# Altium PCB WiSN.PcbDoc (part 1 of 2) (continued)
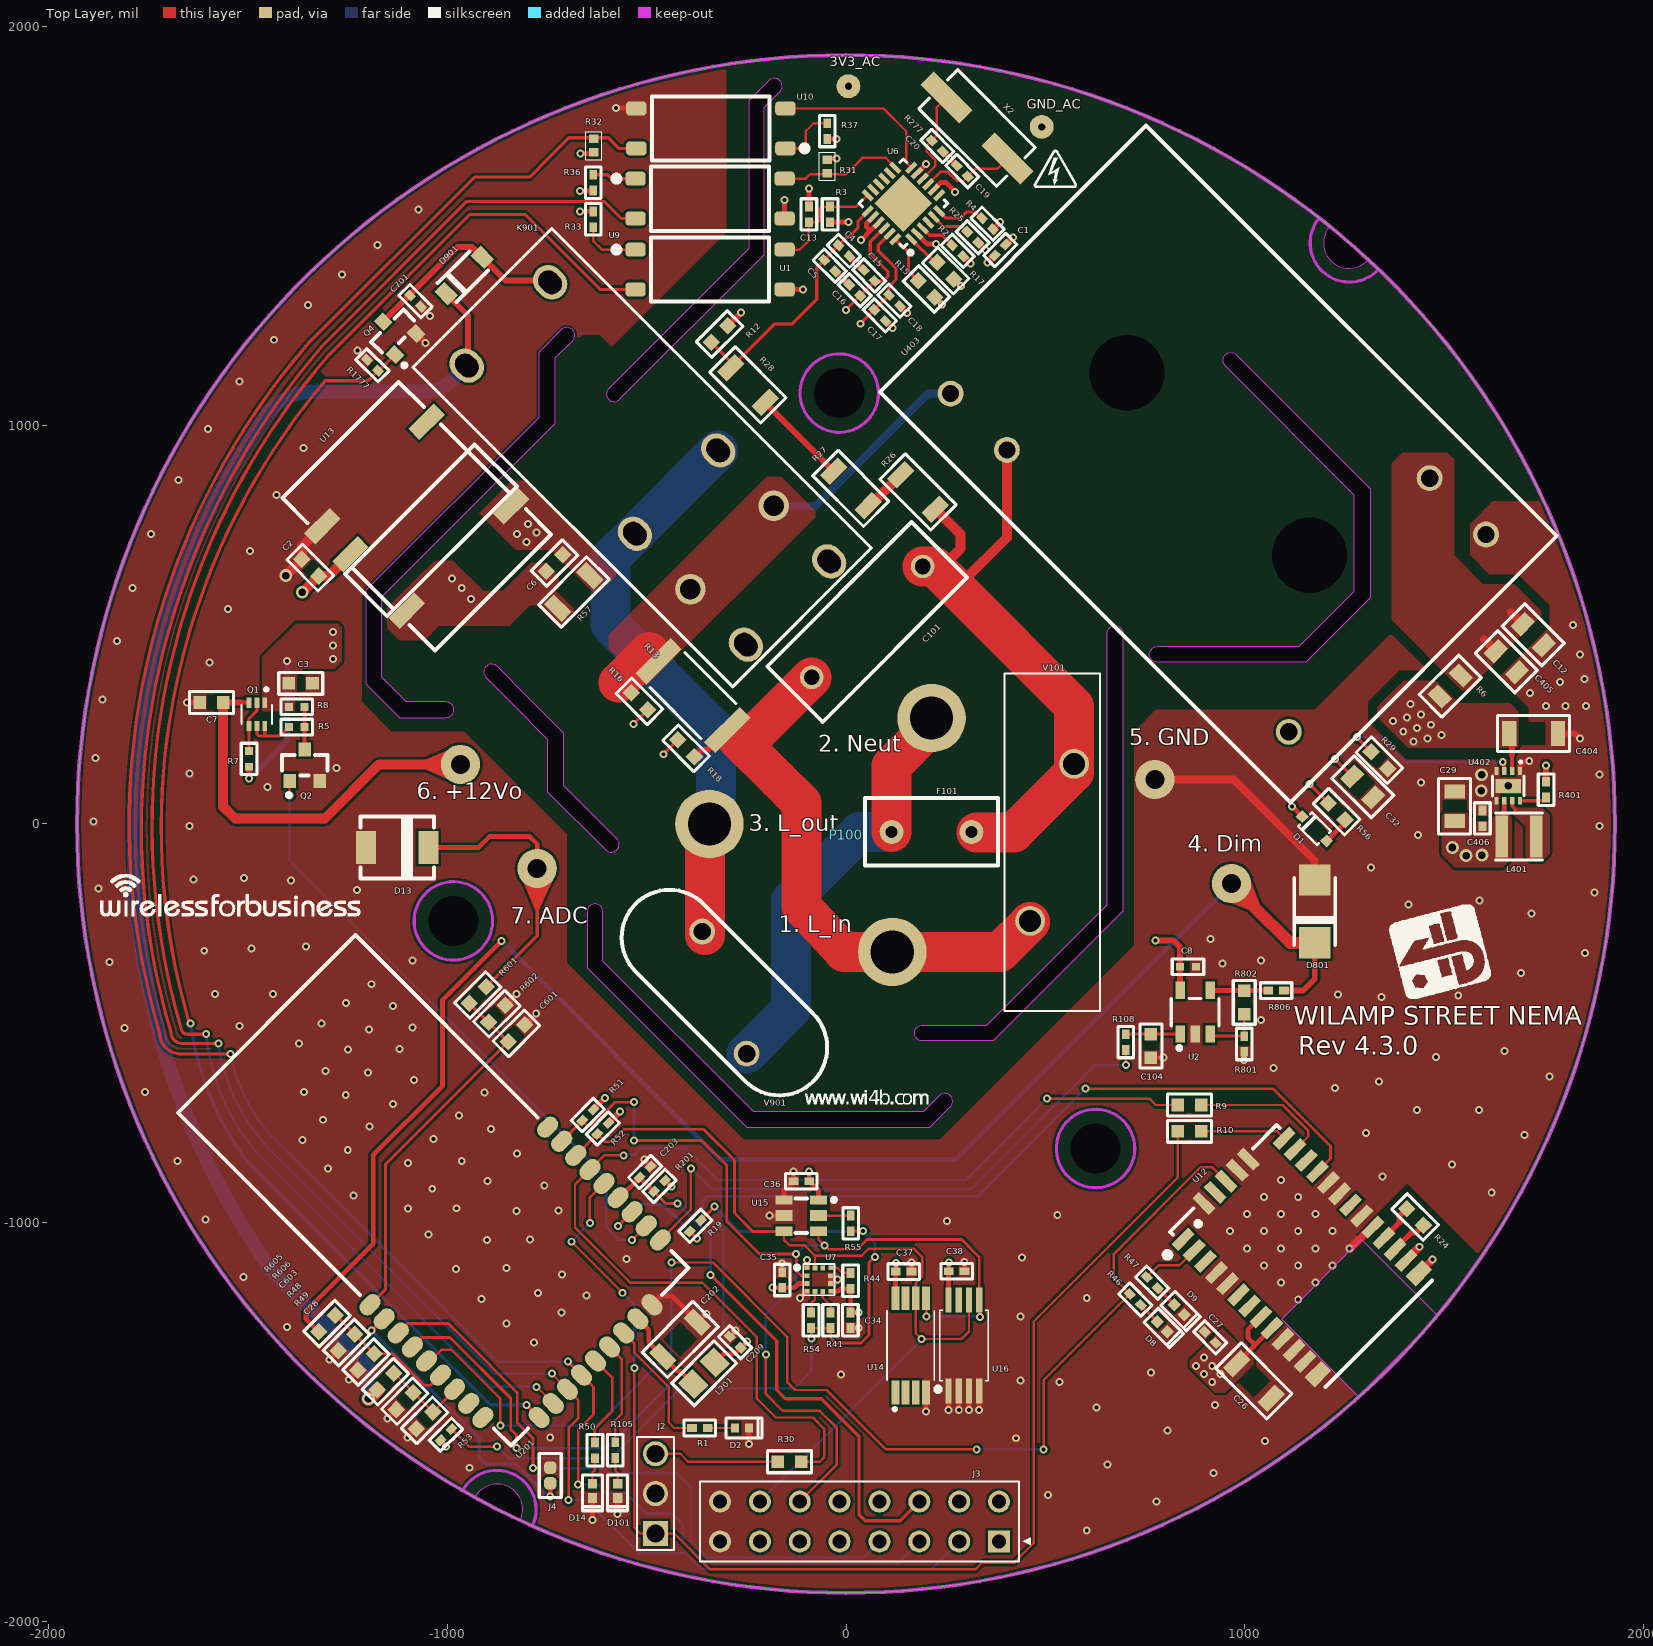
[diagram p0: Top Layer view]
## Classes and differential pairs
component class Relay: C701 D901 K901 Q4 R1777 V901
component class "Analog Input Module (6)": C28 C601 C603 D13 R48 R49 R601 R602 R605 R606
component class "Analog Output Module (9)": C8 C104 D801 R108 R801 R802 R806 U2
component class "Core Module": C202 C203 C209 J4 L201 R19 R201 U201
component class switch_blk: C3 C7 Q1 Q2 R5 R7 R8
component class "Energy Meter Module (5)": 3V3_AC C1 C2 C4 C5 C6 C13 C15 C16 C17 C18 C19 C20 GND_AC R2 R3 R4 R12 R13 R15 R16 R17 R18 R25 R26 R27 R28 R31 R32 R33 R36 R37 R57 R277 U1 U6 U9 U10 U13 X2
component class GPS: C26 C27 D8 D9 R24 R46 R47 U12
component class "i2c Devices": C34 C35 C36 C37 C38 R41 R44 R51 R52 R53 R54 R55 R? U7 U14 U15 U16
component class "Power Supply Module (4)": C12 C29 C32 C404 C405 C406 D1 L401 R6 R29 R56 R401 U402 U403
component class "Top Design Page": C101 D2 D14 D101 F101 J2 J3 P100 R1 R9 R10 R30 R50 R105 V101

## Components (designator, comment, footprint, x,y, rotation, side; value= is the part's Value field where it differs from the comment)
3V3_AC "TestPad TH" "TestPad TH" 6,1850.92 r90 top
C1 "GRM155R71H104ME14D" C0402#1 387,1440 r45 top value=0.10µF
C2 "GRM188R71C105KA12D" C0603 -1344,643 r135 top value=1µF
C3 "EMK107B7105KA-T" C0603 -1368,352.94 r0 top value=1µF
C4 "GRM155R71H104ME14D" C0402#1 -5,1438 r135 top value=0.10µF
C5 "GRM1555C1H102JA01D" C0402#1 -40.92,1400.68 r135 top value=1000pF
C6 "GRM188R71C105KA12D" C0603 -731.31,654.46 r225 top value=1µF
C7 "EMK107B7105KA-T" C0603 -1592,304.82 r180 top value=1µF
C8 "GRM155R71H104ME14D" C0402#2 858,-358 r0 top value=0.10µF
C12 "GRM219R61C226ME15L" C0805 1724.28,474.79 r315 top value=22µF
C13 "GRM155R71H104ME14D" C0402#1 -93,1529.31 r90 top value=0.10µF
C15 "GRM155R71H104ME14D" C0402#1 58.24,1376.15 r315 top value=0.10µF
C16 "GRM1555C1H102JA01D" C0402#1 22,1339 r315 top value=1000pF
C17 "GRM155R71H104ME14D" C0402#1 84.92,1276.08 r135 top value=0.10µF
C18 "GRM1555C1H102JA01D" C0402#1 121.46,1313.08 r135 top value=1000pF
C19 "GRM1555C1H180FA01D" C0402#1 291.55,1638.08 r135 top value=18pF
C20 "GRM1555C1H180FA01D" C0402#1 229.08,1700.92 r315 top value=18pF
C26 "GRM31CR71C106KAC7L" C1206 1023.33,-1397.33 r315 top value=10µF
C27 "GRM155R71H104ME14D" C0402#1 913.86,-1287.86 r135 top value=0.10µF
C28 "GCM188R71H224KA64D" C0603 -1057,-1496 r225 top value=0.22µF
C29 "GRM21BR61C226ME44L" C0805 1526.72,44.46 r90 top value=22µF
C32 "GRM219R61C226ME15L" C0805 1296.32,93.05 r315 top value=22µF
C34 "GRM155R71H104ME14D" C0402#1 10.94,-1245 r270 top value=0.10µF
C35 "GRM155R71H104ME14D" C0402#1 -160,-1144 r90 top value=0.10µF
C36 "GRM155R71H104ME14D" C0402#1 -112,-896.39 r180 top value=0.10µF
C37 "GRM155R71H104ME14D" C0402#1 144.69,-1123 r0 top value=0.10µF
C38 "GRM155R71H104ME14D" C0402#1 277.69,-1122 r0 top value=0.10µF
C101 "R46KF310000P1M" R46KF310000P1M 53,507 r225 top value=0.1µF
C104 "GRM188R71C474KA88D" C0603 765.08,-557 r270 top value=0.47µF
C202 "GRM31CR71C106KAC7L" C1206 -416,-1293 r45 top value=10µF
C203 "GRM155R71H104ME14D" C0402#1 -504,-873 r45 top value=0.10µF
C209 "GRM155R71H104ME14D" C0402#1 -278,-1300 r135 top value=0.10µF
C404 "GRM31CR71C106KAC7L" C1206 1724.9,227.12 r0 top value=10µF
C405 "GRM21BR61C226ME44L" C0805 1656.67,407.18 r315 top value=22µF
C406 "GRM155R71H104ME14D" C0402#1 1596.73,14.05 r90 top value=0.10µF
C601 "GCM188R71H224KA64D" C0603 -827,-525 r45 top value=0.22µF
C603 "GCM188R71H224KA64D" C0603 -1204,-1350 r225 top value=0.22µF
C701 "GRM155R71H104ME14D" C0402#1 -1080,1311.85 r315 top value=0.10µF
D1 "MMSZ5240BS-7-F" SOD-323 1175.31,-12 r315 top
D2 "XZVGR68W-3" LED0402(GREEN) -261,-1515.22 r180 top value=Green
D8 "VLMS1500-GS08" LED0402(RED) 793.65,-1260.99 r135 top value=Red
D9 "VLMS1500-GS08" LED0402(RED) 836,-1218.46 r135 top value=Red
D13 "SMBJ33A-TP" "DO-214AA, SMB" -1125.88,-58.84 r180 top
D14 "VLMS1500-GS08" LED0402(RED) -636,-1673 r90 top value=Red
D101 "VLMB1500-GS08" LED0402(BLUE) -573,-1673 r90 top value=Blue
D801 "SMAJ22CA" DO-214AC 1176,-219.31 r90 top
D901 "MBR0520L" SOD123 -957,1375.24 r45 top
F101 "SS-5-5A-AP" SS-5-5A-AP 214.57,-20 r0 top value=5A
GND_AC "TestPad TH" "TestPad TH" 491,1749 r90 top
J2 "5-146280-3" 5-146280-3 -478,-1680 r90 top
J3 "87227-8" 87227-8 34,-1750 r270 top
J4 "0603 Jumper" "0603 Jumper" -742,-1634.31 r270 top
K901 "ALZ12B12" "ALZ12B12 (custom)" -494.69,902.44 r315 top
L201 "BLM21PG121SN1D" "0805 INDUCTOR" -356,-1378 r45 top value="120 Ohm"
L401 "NR3015T2R2M" NR3015 1688.65,-31.2 r180 top value=2.2uH
P100 "2213730-1" LIGHTCTRL_2213730-1_2213730-1(Primary) 0,0 r270 top locked
Q1 "PBSS3515VS,115" SOT50P160X60-6N -1478,274.94 r270 top
Q2 "NUD3124LT1G" SOT-23-3 -1358,147.63 r0 top
Q4 "NUD3124LT1G" SOT-23-3 -1132.88,1232.01 r45 top
R1 "ERJ-2RKF1001X" R0402#1 -366.69,-1515.22 r180 top value=1k
R2 "CRCW04023K30FKED" R0402#1 280.08,1438 r315 top value=3.3k
R3 "ERJ-2RKF4701X" R0402#1 -40,1529.31 r270 top value=4.7k
R4 "CRCW04023K30FKED" R0402#1 355,1506 r135 top value=3.3k
R5 "CRCW04021K00FKED" R0402#2 -1378,242.94 r180 top value=1k
R6 "9C08052A0R00JLHFT" R0805 1516,346 r225 top value=0.0
R7 "RC0402FR-073RL" R0402#2 -1497.37,163.26 r270 top value=3
R8 "RC0402JR-0747KL" R0402#2 -1378,293.94 r180 top value=47k
R9 "CRCW06030000Z0EA" R0603 862,-705 r0 top value=0.0
R10 "CRCW06030000Z0EA" R0603 862,-771 r0 top value=0.0
R12 "CRCW0603750RFKEA" R0603 -317,1229 r225 top value=750
R13 "CRE2512-FZ-R004E-3" R2512 -384,322 r135 top
R15 "CRCW06030000Z0EA" R0603 202,1342 r135 top value=0.0
R16 "CRCW0603750RFKEA" R0603 -517.88,307.88 r315 top value=750
R17 "CRCW06030000Z0EA" R0603 250,1388 r135 top value=0.0
R18 "CRCW0603750RFKEA" R0603 -401,190 r135 top value=750
R19 "CRCW04020000Z0ED" R0402#1 -378,-1008.07 r45 top value=0.0
R24 "CRCW06030000Z0EA" R0603 1427.92,-985.92 r135 top value=0.0
R25 "CRCW04023K30FKED" R0402#1 318,1472 r135 top value=3.3k
R26 "CRCW1206820KFKEA" R1206#1 180.79,833.16 r135 top value=820k
R27 "CRCW1206820KFKEA" R1206#1 12.15,841.85 r135 top value=820k
R28 "CRCW1206330KFKEA" R1206#1 -246,1101.39 r135 top value=330k
R29 "5-1879337-9" R0603 1338,160 r315 top value=10k
R30 "CRCW06030000Z0EA" R0603 -142,-1600 r0 top value=0.0
R31 "RC0402FR-071K2L" RESC1005X40N -47,1649.76 r90 top value=1.2k
R32 "RC0402FR-071K2L" RESC1005X40N -633,1702 r270 top value=1.2k
R33 "CRCW0402330RFKED" R0402#1 -634,1517 r90 top value=330
R36 "CRCW0402330RFKED" R0402#1 -634,1609 r270 top value=330
R37 "CRCW0402330RFKED" R0402#1 -47,1738.31 r90 top value=330
R41 "CRCW0402330RFKED" R0402#1 -38.5,-1245 r270 top value=330
R44 "MCS04020C1001FE000" R0402#1 11.69,-1146 r270 top value=1k
R46 "ERJ-2RKF1001X" R0402#1 725.77,-1193.11 r135 top value=1k
R47 "ERJ-2RKF1001X" R0402#1 768.21,-1150.67 r135 top value=1k
R48 "TNPW060324K0BEEA" R0603 -1155,-1399 r45 top value=24k
R49 "ERA-3AEB562V" R0603 -1107,-1448 r45 top value=5.6k
R50 "ERJ-2RKF1001X" R0402#1 -630,-1571.31 r90 top value=1k
R51 "MCS04020C1001FE000" R0402#1 -647.7,-729.92 r45 top value=1k
R52 "MCS04020C1001FE000" R0402#1 -610,-764 r45 top value=1k
R53 "MCS04020C1001FE000" R0402#1 -1003.69,-1532 r225 top value=1k
R54 "CRCW0402330RFKED" R0402#1 -87.5,-1245 r270 top value=330
R55 "CRCW0402330RFKED" R0402#1 12,-1002 r270 top value=330
R56 "5-1879337-9" R0603 1231,31 r135 top value=10k
R57 "RMCF1206JT100R" R1206#2 -682.7,582.07 r225 top value=100
R105 "ERJ-2RKF1001X" R0402#1 -579,-1571 r90 top value=1k
R108 "ERJ-2RKF1002X" R0402#1 702,-547.16 r90 top value=10k
R201 "ERJ-2RKF4701X" R0402#1 -468,-908 r45 top value=4.7k
R277 "CRCW04023K30FKED" R0402#1 229,1701 r135 top value=3.3k
R401 "ERJ-2RKF1003X" R0402#1 1756.53,86.18 r90 top value=100k
R601 "ERA-3AEB683V" R0603 -923.85,-429 r225 top value=68k
R602 "ERA-3AEB562V" R0603 -876,-476 r225 top value=5.6k
R605 "TNPW060324K0BEEA" R0603 -1301.88,-1252.88 r45 top value=24k
R606 "ERA-3AEB562V" R0603 -1253,-1301 r45 top value=5.6k
R801 "ERJ-2RKF1001X" R0402#1 999,-551.9 r90 top value=1k
R802 "CRCW06032K20FKEA" R0603 999,-447.37 r90 top value=2.2K
R806 "CRCW04021R00FKED" R0402#1 1079,-417.85 r0 top value=1
R1777 "CRCW04023K30FKED" R0402#1 -1188,1150.85 r315 top value=3.3k
U1 "TCLT1003" SOP-4L -341,1391 r0 top
U2 "AS321KTR-G1" SOT-23-5 876,-472 r0 top
U6 "78M6610+PSU/B00" "QFN-24 (4X4mm)" 144,1557 r135 top
U7 "KX122-1037" KX122-1037 -68,-1142.92 r0 top
U9 "TCLT1003" SOP-4L -341,1569 r0 top
U10 "TCLT1003" SOP-4L -339,1745 r180 top
U12 "SIM33ELA" SIM33ELA 1141.55,-1084.21 r45 top
U13 "NXJ1S0303MC-R7" NXJ1S0303MC-R7 -1076.91,772.22 r315 top
U14 "ATSHA204A-XHDA-T" "TSSOP-8 (wide Body)" 162.37,-1308 r0 top
U15 "APDS-9300-020" APDS-9300-020 -112.31,-982.63 r180 top
U16 "M24C32-DFDW6TP" 8-TSSOP 295.69,-1308 r0 top
U201 "JN5168-001-M06Z" JN5168-001-M06Z -794.51,-1160.07 r45 top
U402 "TPS62172DSGT" WSON8 1661.37,95.67 r180 top
U403 "IRM-03-12" IRM-03-12 934,903 r315 top
V101 "S20K300E2" S20K300E2 517.12,-46.15 r90 top
V901 "S14K300E2K1" S14K300E2K1 -305,-423 r135 top
X2 "ABLS7M-20.000MHZ-B-2-T" "ABLS7M (crystal)" 329,1746 r135 top

## Footprints (in the part's own frame and the unit in brackets; to place one, negate y for a bottom-side part, rotate by r counter-clockwise, add the part's x,y. Pads: shape width x height; smd on the part's side, far side on the other; paste and mask are expansions set on the pad)
5-146280-3 [mm]
  rect 1.6x1.6 hole 1.14: 1(-2.54,0)
  round 1.6 hole 1.14: 2(0,0) 3(2.54,0)
  silkscreen extent -3.61,-1.17 3.6,1.17, body extent -3.61,-1.17 3.61,1.17, height 8.14
8-TSSOP [mm] "IC EEPROM 128KBIT 1MHZ 8TSSOP"
  rect 0.4x1.6 smd: 1(-0.975,-2.9) 2(-0.325,-2.9) 3(0.325,-2.9) 4(0.975,-2.9) 5(0.975,2.9) 6(0.325,2.9) 7(-0.325,2.9) 8(-0.975,2.9)
  silkscreen extent -1.78,-2.92 1.55,2.25, body extent -1.48,-3.14 1.52,3.14, height 1.09
"0603 Jumper" [mm]
  rrect70% 0.8x0.8 smd: 1(-0.5,0) 2(0.5,0)
  silkscreen extent -1.4,-0.7 1.4,0.7
"0805 INDUCTOR" [mm]
  rect 1.285x1.47 smd: 1(-0.973,0) 2(0.973,0)
  silkscreen extent -1.9,-1.02 1.9,1.02, body extent -1,-0.6 1,0.6, height 0.95
87227-8 [mm]
  rect 1.4x1.4 hole 0.9: 1(1.27,8.89)
  round 1.4 hole 0.9: 2(-1.27,8.89) 3(1.27,6.35) 4(-1.27,6.35) 5(1.27,3.81) 6(-1.27,3.81) 7(1.27,1.27) 8(-1.27,1.27) 9(1.27,-1.27) 10(-1.27,-1.27) 11(1.27,-3.81) 12(-1.27,-3.81) 13(1.27,-6.35) 14(-1.27,-6.35) 15(1.27,-8.89) 16(-1.27,-8.89)
  silkscreen extent -2.54,-10.16 2.54,10.92, body extent -2.54,-9.91 2.54,10, height 10.58
"ABLS7M (crystal)" [mm]
  rect 3.5x1.2 smd: 1(-2.75,0) 2(2.75,0)
  Top Layer pour cut-out: -0.889,0.762 0.889,0.762 0.889,-0.762 -0.889,-0.762
  silkscreen extent -3.5,-1.75 3.5,1.75, body extent -3.5,-1.75 3.5,1.75, height 2.3
"ALZ12B12 (custom)" [mm]
  round 1.95 hole 1.3: 1(7.5,-3.75) 1(7.5,3.75)
  oval 2.3x1.95 hole 1.3 slot 1.6 at 0 deg: 2(12.5,3.75) 2(12.5,-3.75) 3(-12.65,3.75) 4(-12.65,-3.75) 5(2.5,3.75) 5(2.5,-3.75)
  silkscreen extent -15,-6.25 13.8,6.25, body extent -15,-6.25 13.8,6.25, height 15.7
APDS-9300-020 [mm]
  rect 1.1x0.6 smd: 1(-1.1,-1) 2(1.1,-1) 4(1.1,1) 5(-1.1,1)
  rect 1.1x0.7 smd: 3(1.1,0) 6(-1.1,0)
  silkscreen extent -0.38,-1.1 0.38,1.1, body extent -1.3,-1.1 1.3,1.1, height 0.55
C0402#1 [mm]
  rect 0.62x0.5 smd: 1(-0.5,0) 2(0.5,0)
  Top Layer pour cut-out: -0.127,0.381 0.127,0.381 0.127,-0.381 -0.127,-0.381
  silkscreen extent -1,-0.5 1,0.5, body extent -0.5,-0.26 0.5,0.27, height 0.36
C0402#2 [mm]
  rect 0.5x0.5 smd: 1(-0.5,0) 2(0.5,0)
  Top Layer pour cut-out: -0.127,0.381 0.127,0.381 0.127,-0.381 -0.127,-0.381
  silkscreen extent -1,-0.5 1,0.5, body extent -0.5,-0.26 0.5,0.27, height 0.36
C0603 [mm]
  rect 0.8x0.8 smd: 1(-0.75,0) 2(0.75,0)
  Top Layer pour cut-out: -0.254,0.508 0.254,0.508 0.254,-0.508 -0.254,-0.508
  silkscreen extent -1.4,-0.7 1.4,0.7, body extent -0.8,-0.42 0.8,0.44, height 0.95
C0805 [mm]
  rect 0.9x1.3 smd: 1(-0.95,0) 2(0.95,0)
  Top Layer pour cut-out: 0.381,0.762 -0.381,0.762 -0.381,-0.762 0.381,-0.762
  silkscreen extent -1.78,-1.02 1.78,1.02, body extent -1,-0.6 1,0.6, height 0.8
C1206 [mm]
  rect 0.9x1.6 smd: 1(-1.55,0) 2(1.55,0)
  Top Layer pour cut-out: 0.762,0.762 -0.762,0.762 -0.762,-0.762 0.762,-0.762
  silkscreen extent -2.29,-1.14 2.29,1.14, body extent -1.6,-0.8 1.6,0.8, height 0.95
"DO-214AA, SMB" [mil]
  rect 50x82 smd: 1(-78,0) 2(78,0)
  silkscreen extent -93,-78 93,78, body extent -110,-78 110,78, height 102
DO-214AC [mm]
  rect 2x2 smd: 1(-2,0) 2(2,0)
  silkscreen extent -2.16,-1.3 2.16,1.3, body extent -2.5,-1.38 2.5,1.32, height 2.25
IRM-03-12 [mm]
  round 1.65 hole 1.1: 1(-15.24,-8.89) 3(-10.16,-8.89) 12(15.24,-8.89) 14(15.24,8.89) 16(10.16,8.89)
  round 0 hole 4.8 unplated: Hole(-8.22,0) Hole(8.22,0)
  silkscreen extent -18.5,-12 18.5,12, body extent -18.5,-12 18.5,12, height 15
JN5168-001-M06Z [mm]
  oval 1.5x1 smd: 1(-8,6.35) 2(-8,5.08) 3(-8,3.81) 4(-8,2.54) 5(-8,1.27) 6(-8,0) 7(-8,-1.27) 8(-8,-2.54) 9(-8,-3.81) 19(8,-3.81) 20(8,-2.54) 21(8,-1.27) 22(8,0) 23(8,1.27) 24(8,2.54) 25(8,3.81) 26(8,5.08) 27(8,6.35)
  oval 1x1.5 smd: 10(-5.46,-6.35) 11(-4.19,-6.35) 12(-2.92,-6.35) 13(-1.65,-6.35) 14(-0.38,-6.35) 15(0.89,-6.35) 16(2.16,-6.35) 17(3.43,-6.35) 18(4.7,-6.35)
  silkscreen extent -8,-6.35 8,23.65, body extent -8,-6.35 8,23.65, height 3.5
KX122-1037 [mm]
  rect 0.325x0.3 smd: 1(-0.763,0.75) 2(-0.75,0.25) 3(-0.75,-0.25) 4(-0.763,-0.75) 7(0.763,-0.75) 8(0.75,-0.25) 9(0.75,0.25) 10(0.763,0.75)
  rect 0.3x0.325 smd: 5(-0.25,-0.75) 6(0.25,-0.75) 11(0.25,0.75) 12(-0.25,0.75)
  silkscreen extent -1.52,-1 1,1, body extent -1,-1 1,1, height 1
LED0402(BLUE) [mm]
  rect 0.62x0.6 smd: 1(-0.45,0) 2(0.45,0)
  silkscreen extent -1.27,-0.64 1.02,0.64, body extent -0.5,-0.3 0.5,0.3, height 0.2
LED0402(GREEN) [mm]
  rect 0.5x0.6 smd: 1(-0.45,0) 2(0.45,0)
  silkscreen extent -1.27,-0.64 1.02,0.64, body extent -0.5,-0.3 0.5,0.3, height 0.2
LED0402(RED) [mm]
  rect 0.62x0.6 smd: 1(-0.45,0) 2(0.45,0)
  silkscreen extent -1.27,-0.63 1.02,0.63, body extent -0.5,-0.25 0.51,0.25, height 0.45
LIGHTCTRL_2213730-1_2213730-1(Primary) [mm]
  round 2.5 hole 1.2: 1(-2.83,19.68) 2(3.8,24.57) 3(-3.8,-24.57) 4(2.83,-19.68)
  round 4.366 hole 2.75: LINE(8.15,2.95) LOAD(0,-8.7) NEUT(-6.75,5.45)
NR3015 [mm]
  rect 0.8x2.7 smd: 1(-1.1,0) 2(1.1,0)
  silkscreen extent -1.5,-1.5 1.5,1.5, body extent -1.5,-1.5 1.5,1.5, height 1.5
NXJ1S0303MC-R7 [mm]
  rect 1x2.3 smd: 1(-3.81,-4.7) 3(-1.27,-4.7) 7(3.81,-4.7) 8(3.81,4.7) 14(-3.81,4.7)
  silkscreen extent -6.86,-5.84 6.86,5.84, body extent -6.86,-5.23 6.86,5.23, height 4.22
"QFN-24 (4X4mm)" [mm]
  rect 0.85x0.3 smd: 1(-1.975,1.25) 2(-1.975,0.75) 3(-1.975,0.25) 4(-1.975,-0.25) 5(-1.975,-0.75) 6(-1.975,-1.25) 13(1.975,-1.25) 14(1.975,-0.75) 15(1.975,-0.25) 16(1.975,0.25) 17(1.975,0.75) 18(1.975,1.25)
  rect 0.3x0.85 smd: 7(-1.25,-1.975) 8(-0.75,-1.975) 9(-0.25,-1.975) 10(0.25,-1.975) 11(0.75,-1.975) 12(1.25,-1.975) 19(1.25,1.975) 20(0.75,1.975) 21(0.25,1.975) 22(-0.25,1.975) 23(-0.75,1.975) 24(-1.25,1.975)
  rect 2.6x2.6 smd: 25(0,0)
  silkscreen extent -2.67,-2 2,2.03, body extent -2,-2 2,2, height 1
R46KF310000P1M [mm]
  round 1.5 hole 1: 1(-5,0) 2(5,0)
  silkscreen extent -6.5,-2.5 6.5,2.5, body extent -6.5,-2.5 6.5,2.5, height 11
R0402#1 [mm]
  rect 0.62x0.5 smd: 1(-0.5,0) 2(0.5,0)
  Top Layer pour cut-out: -0.127,0.381 0.127,0.381 0.127,-0.381 -0.127,-0.381
  silkscreen extent -1,-0.5 1,0.5, body extent -0.5,-0.25 0.5,0.25, height 0.4
R0402#2 [mm]
  rect 0.5x0.5 smd: 1(-0.5,0) 2(0.5,0)
  Top Layer pour cut-out: -0.127,0.381 0.127,0.381 0.127,-0.381 -0.127,-0.381
  silkscreen extent -1,-0.5 1,0.5, body extent -0.5,-0.25 0.5,0.25, height 0.4
R0603 [mm]
  rect 0.8x0.8 smd: 1(-0.75,0) 2(0.75,0)
  Top Layer pour cut-out: -0.254,0.508 0.254,0.508 0.254,-0.508 -0.254,-0.508
  silkscreen extent -1.4,-0.7 1.4,0.7, body extent -0.77,-0.42 0.78,0.43, height 0.45
R0805 [mm]
  rect 0.9x1.3 smd: 1(-0.95,0) 2(0.95,0)
  Top Layer pour cut-out: 0.254,0.635 -0.254,0.635 -0.254,-0.635 0.254,-0.635
  silkscreen extent -1.78,-1.02 1.78,1.02, body extent -1.15,-0.67 1.15,0.68, height 0.76
R1206#1 [mm]
  rect 0.9x1.6 smd: 1(-1.55,0) 2(1.55,0)
  silkscreen extent -2.29,-1.14 2.29,1.14, body extent -1.67,-0.86 1.68,0.87, height 0.85
R1206#2 [mm]
  rect 0.9x1.6 smd: 1(-1.45,0) 2(1.45,0)
  Top Layer pour cut-out: -0.762,0.889 -0.762,-0.889 0.762,-0.889 0.762,0.889
  silkscreen extent -2.16,-1.02 2.16,1.02, body extent -1.6,-0.8 1.6,0.8, height 0.55
R2512 [mm]
  rect 1x3.2 smd: 1(-3.1,0) 2(3.1,0)
  Top Layer pour cut-out: -2.413,1.778 2.413,1.778 2.413,-1.778 -2.413,-1.778
  silkscreen extent -2.29,-1.58 2.29,1.57, body extent -3.17,-1.5 3.18,1.5, height 1.6
RESC1005X40N [mm]
  rect 0.54x0.6 smd: 1(-0.432,0) 2(0.432,0)
  Top Layer pour cut-out: -0.127,0.381 0.127,0.381 0.127,-0.381 -0.127,-0.381
  silkscreen extent -0.89,-0.51 0.89,0.51, body extent -0.5,-0.25 0.5,0.25, height 0.4
S14K300E2K1 [mm]
  round 1.65 hole 1.1: 1(-3.75,1.75) 2(3.75,-1.75)
  silkscreen extent -8,-3.05 8,3.05, body extent -7.98,-3.05 7.99,3.05, height 20
S20K300E2 [mm]
  round 1.9 hole 1.4: 1(-5,1.4) 2(5,-1.4)
  silkscreen extent -10.75,-3.05 10.75,3.05, body extent -10.75,-3.05 10.75,3.05, height 25.5
SIM33ELA [mm]
  rect 1.5x0.6 smd: 1(-4.55,6.075) 2(-4.55,5.075) 3(-4.55,4.075) 4(-4.55,3.075) 5(-4.55,2.075) 6(-4.55,1.075) 7(-4.55,0.075) 8(-4.55,-0.925) 9(-4.55,-1.925) 10(-4.55,-2.925) 11(-4.55,-3.925) 12(-4.55,-4.925) 15(4.55,-4.925) 16(4.55,-3.925) 17(4.55,-2.925) 18(4.55,-1.925) 19(4.55,-0.925) 20(4.55,0.075) 21(4.55,1.075) 22(4.55,2.075) 23(4.55,3.075) 24(4.55,4.075) 25(4.55,5.075) 26(4.55,6.075)
  rect 1.5x0.9 smd: 13(-4.55,-6.075) 14(4.55,-6.075)
  rect 0.6x1.5 smd: 27(2,6.75) 28(1,6.75) 29(0,6.75) 30(-1,6.75) 31(-2,6.75)
  silkscreen extent -4.8,-7 4.8,7, body extent -4.8,-7.1 4.8,6.87, height 2.25
SOD123 [mm]
  rect 0.91x1.22 smd: 1(-1.635,0.028) 2(1.635,0.028)
  silkscreen extent -1.54,-0.82 1.31,0.88, body extent -1.85,-0.77 1.85,0.78, height 1.35
SOD-323 [mm]
  rect 0.6x0.6 smd: 1(-1.1,0) 2(1.1,0)
  Top Layer pour cut-out: -0.254,0.508 0.381,0.508 0.381,-0.508 -0.254,-0.508
  silkscreen extent -0.85,-0.63 0.85,0.63, body extent -1.25,-0.64 1.25,0.62, height 1
SOP-4L [mm]
  rrect50% 1.3x0.9 smd: 1(-4.75,1.27) 2(-4.75,-1.27) 3(4.75,-1.27) 4(4.75,1.27)
  silkscreen extent -6.1,-2.05 3.75,2.05, body extent -3.75,-2.05 3.75,2.05, height 2
SOT50P160X60-6N [mm]
  rect 0.66x0.31 smd: 1(-0.735,0.5) 2(-0.735,0) 3(-0.735,-0.5) 4(0.735,-0.5) 5(0.735,0) 6(0.735,0.5)
  silkscreen extent -1.7,-0.98 0.6,0.97, body extent -0.8,-0.8 0.8,0.8, height 0.6
SOT-23-3 [mm]
  rect 0.8x0.9 smd: 1(-0.95,-1) 2(0.95,-1) 3(0,1)
  silkscreen extent -1.45,-2.03 1.45,0.65, body extent -1.46,-1.25 1.46,1.23, height 1.01
SOT-23-5 [mm]
  rect 0.6x1.1 smd: 1(-0.95,-1.4) 2(0,-1.4) 3(0.95,-1.4) 4(0.95,1.4) 5(-0.95,1.4)
  silkscreen extent -1.53,-2.34 1.52,0.87, body extent -1.5,-1.5 1.5,1.5, height 1.4
SS-5-5A-AP [mil]
  round 60 hole 30: 1(-100,0) 2(100,0)
  silkscreen extent -167,-85 167,85, body extent -167,-85 167,85, height 309
"TestPad TH" [mil]
  round 60 hole 18 mask+4: 1(0,0)
"TSSOP-8 (wide Body)" [mm]
  rect 0.5x1.51 smd: 1(-0.975,-3) 2(-0.325,-3) 3(0.325,-3) 4(0.975,-3) 5(0.975,3) 6(0.325,3) 7(-0.325,3) 8(-0.975,3)
  silkscreen extent -1.5,-4.16 1.5,2.2, body extent -1.5,-3.2 1.5,3.2, height 1.2
WSON8 [mm]
  rect 0.28x0.5 smd paste+0 mask+0.07: 1(-0.75,-0.95) 2(-0.25,-0.95) 3(0.25,-0.95) 4(0.75,-0.95) 5(0.75,0.95) 6(0.25,0.95) 7(-0.25,0.95) 8(-0.75,0.95)
  rect 1.6x0.9 smd paste+0 mask+0.07: 4(0,0)
  silkscreen extent -1,-1.55 1,0.64, body extent -1,-1 1,1, height 0.8

## Part data
C1 C4 C8 C13 C15 C17 C27 C34 C35 C36 C37 C38 C203 C209 C406 C701: "CAP CER 0.1UF 50V X7R 0402", RATING=50V, MFT="Murata Electronics North America", MPN=GRM155R71H104ME14D, TYPE=SMD
  C1 C4 C13 C15 C17: FUNCTION="Energy Meter"
  C8: FUNCTION="analog outputs"
  C27: FUNCTION=gps
  C34 C35 C36 C37 C38: FUNCTION="I2C Devices"
  C203 C209: FUNCTION=Jennic
  C406: FUNCTION="Power Supply"
  C701: FUNCTION=Relay
C2 C6: "CAP CER 1UF 16V X7R 0603", RATING="±10%, 16V", FUNCTION="Energy Meter", MFT="Murata Electronics North America", MPN=GRM188R71C105KA12D, TYPE="Surface Mount, MLCC"
C3 C7: "CAP CER 1UF 16V X7R 0603", RATING=16V, FUNCTION=Switch, MFT="Taiyo Yuden", MPN=EMK107B7105KA-T, TYPE=SMD
C5 C16 C18: "CAP CER 1000PF 50V NP0 0402", RATING=50V, FUNCTION="Energy Meter", MFT="Murata Electronics North America", MPN=GRM1555C1H102JA01D, TYPE=SMD
C12 C32: "CAP CER 22UF 16V 20% X5R 0805", RATING="16V 20% X5R", FUNCTION="Power Supply", MFT="Murata Electronics North America", MPN=GRM219R61C226ME15L, TYPE="Surface Mount, MLCC"
C19 C20: "CAP CER 18PF 50V NP0 0402", RATING=50V, DNP=DNP, FUNCTION="Energy Meter", MFT="Murata Electronics North America", MPN=GRM1555C1H180FA01D, TYPE=SMD
C26 C202 C404: "CAP CER 10UF 16V X7R 1206", RATING=16V, MFT="Murata Electronics North America", MPN=GRM31CR71C106KAC7L, TYPE=SMD
  C26: FUNCTION=gps
  C202: FUNCTION=Jennic
  C404: FUNCTION="Power Supply"
C28 C601 C603: "CAP CER 0.22UF 50V X7R 0603", RATING=50V, FUNCTION="Analog Inputs", MFT="Murata Electronics North America", MPN=GCM188R71H224KA64D, TYPE="Surface Mount, MLCC"
C29 C405: "CAP CER 22UF 16V X5R 0805", RATING=16V, FUNCTION="Power Supply", MFT="Murata Electronics North America", MPN=GRM21BR61C226ME44L, TYPE=SMD
  C405: DNP=DNP
C101: "CAP FILM 0.1UF 20% 560VDC RADIAL", RATING=560VDC, DNP=DNP, FUNCTION=Top, MFT=Kemet, MPN=R46KF310000P1M, TYPE="Through Hole"
C104: "CAP CER 0.47UF 16V X7R 0603", RATING=16V, FUNCTION="analog outputs", MFT="Murata Electronics North America", MPN=GRM188R71C474KA88D, TYPE=SMD
D1: "DIODE ZENER 10V 200MW SOD323", ALT MPN1=BZT52C10S, RATING=10V, ALT DESC1="DIODE ZENER 10V 200mW SOD323 BZT52C10S", ALT MFT1=Bytesonic, FUNCTION="Power Supply", MFT="Diodes Incorporated", MPN=MMSZ5240BS-7-F, TYPE=SMD
D2: "LED GREEN CLEAR 0402 SMD", FUNCTION=Top, MFT=SunLED, MPN=XZVGR68W-3, TYPE=SMD
D8 D9 D14: "LED RED 0402 SMD", ALT MPN1="YLS0402/R/21/05 C", ALT MFT1="Y.Lin Elect.", MFT="Vishay Semiconductor Opto Division", MPN=VLMS1500-GS08, TYPE=SMD
  D8 D9: FUNCTION=gps, LOAD=DNP
  D14: FUNCTION=Top
D13: "TVS DIODE 33VWM 53.3VC SMB", RATING=33V, FUNCTION="Analog Inputs", MFT="Micro Commercial Co", MPN=SMBJ33A-TP, TYPE="Surface Mount"
D101: "LED BLUE 0402 SMD", ALT MPN1="YLS0402/B/21/05 C", ALT MFT1="Y.Lin Elect", FUNCTION=Top, MFT="Vishay Semiconductor Opto Division", MPN=VLMB1500-GS08, TYPE=SMD
D801: "TVS Diodes - Transient Voltage Suppressors 22Vr 400W 11.3A 5% BiDirectional", RATING="22 V", ALT MFT=Bytesonic, ALT MPN=SMAJ22CA, FUNCTION="analog outputs", MFT=Littelfuse, MPN=SMAJ22CA, TYPE=SMD/SMT
D901: "DIODE SCHOTTKY 20V 0.5A SOD123", ALT MPN1=B0520W, RATING="20V 500MA", ALT DESC1="DIODE SCHOTTKY 20V 0.5A SOD123 B0520W", ALT MFT1=Bytesonic, FUNCTION=Relay, MFT="ON Semiconductor", MPN=MBR0520L, TYPE=SMD
F101: "FUSE BOARD MOUNT 5A 250VAC RAD", FUNCTION=Top, MFT="Eaton Bussmann", MPN=SS-5-5A-AP, TYPE=Through-Hole
J2: "CONN HEADR BRKWAY .100 3POS STR", DNP=DNP, FUNCTION=Top, MFT="TE Connectivity AMP Connectors", MPN=5-146280-3, TYPE=TH
J3: "CONN HEADER VERT .100 16POS 15AU", DNP=DNP, FUNCTION=Top, MFT="TE Connectivity AMP Connectors", MPN=87227-8, TYPE=SMD
K901: "General Purpose Relays 16A 12VDC SPDT CLASS B", ALT MPN1=RZ03-1C4-D012, ALT MPN2=HF115F/012-1ZS3A, ALT DESC1="RELAY GEN PURPOSE SPDT 16A 12V", ALT DESC2="Miniatrure High Power Relay HF115F/012-1ZS3A", ALT MFT1="TE connectivity", ALT MFT2=Hongfa, FUNCTION=Relay, MFT="Panasonic Industrial Devices", MPN=ALZ12B12, TYPE="Through Hole"
L201: "FERRITE CHIP 120 OHM 0805", RATING=3A, FUNCTION=Jennic, MFT="Murata Electronics North America", MPN=BLM21PG121SN1D, TYPE="Surface Mount"
L401: "FIXED IND 2.2UH 1.5A 72 MOHM SMD", FUNCTION="Power Supply", MFT="Taiyo Yuden", MPN=NR3015T2R2M, TYPE="Surface Mount"
Q1: "TRANS 2PNP 15V 0.5A SOT666", RATING=15V, FUNCTION=Switch, MFT="Nexperia USA Inc.", MPN=PBSS3515VS,115, TYPE=SMD
Q2 Q4: "IC INDCT LOAD DRVR AUTO SOT23", MFT="ON Semiconductor", MPN=NUD3124LT1G, TYPE="Surface Mount"
  Q2: FUNCTION=Switch
  Q4: FUNCTION=Relay
R1 R46 R47 R50 R105 R801: "RES SMD 1K OHM 1% 1/10W 0402", RATING="0.1W, 1/10W", MFT="Panasonic Electronic Components", MPN=ERJ-2RKF1001X, TYPE="Surface Mount"
  R1 R50 R105: FUNCTION=Top
  R46 R47: FUNCTION=gps, LOAD=DNP
  R801: FUNCTION="analog outputs"
R2 R4 R25 R277 R1777: "RES SMD 3.3K OHM 1% 1/16W 0402", RATING=1/16W, MFT="Vishay Dale", MPN=CRCW04023K30FKED, TYPE=SMD
  R2 R4 R25 R277: FUNCTION="Energy Meter"
  R1777: FUNCTION=Relay
R3 R201: "RES SMD 4.7K OHM 1% 1/10W 0402", RATING="0.1W, 1/10W", MFT="Panasonic Electronic Components", MPN=ERJ-2RKF4701X, TYPE="Surface Mount"
  R3: FUNCTION="Energy Meter"
  R201: FUNCTION=Jennic
R5: "RES SMD 1K OHM 1% 1/16W 0402", RATING=0.063W, APN=RQ-0013-R7-C, FUNCTION=Switch, MFT="Vishay Dale", MPN=CRCW04021K00FKED, TYPE=SMD
R6: "RES SMD 0.0 OHM JUMPER 1/8W 0805", RATING=Jumper, FUNCTION="Power Supply", MFT=Yageo, MPN=9C08052A0R00JLHFT, TYPE="Surface Mount"
R7: "RES 3 OHM 1% 1/16W 0402", RATING=1/16W, FUNCTION=Switch, MFT=YAGEO, MPN=RC0402FR-073RL, TYPE=SMD
R8: "RES SMD 47K OHM 5% 1/16W 0402", RATING=1/16W, APN=RR-0473-R7-C, FUNCTION=Switch, MFT=Yageo, MPN=RC0402JR-0747KL, TYPE=SMD
R9 R10 R15 R17 R24 R30: "RES SMD 0.0OHM JUMPER 1/10W 0603", RATING="0.1W, 1/10W", MFT="Vishay Dale", MPN=CRCW06030000Z0EA, TYPE="Surface Mount"
  R9 R10 R30: FUNCTION=Top
  R15 R17: FUNCTION="Energy Meter"
  R24: FUNCTION=gps
R12 R16 R18: "RES SMD 750 OHM 1% 1/10W 0603", RATING=1/10W, FUNCTION="Energy Meter", MFT="Vishay Dale", MPN=CRCW0603750RFKEA, TYPE=SMD
R13: "RES SMD 0.004 OHM 1% 3W 2512", Manufacturer="Bourns Inc.", Operating Temperature="-55°C ~ 170°C", Package / Case="2512 (6432 Metric)", Power (Watts)=3W, Resistance (Ohms)=0.004, Supplier Device Package=2512, Supplier Part Number 1=CRE2512-FZ-R004E-3CT-ND, Temperature Coefficient=±75ppm/°C, Tolerance=±1%, Category=Resistors, ComponentLink1Description=http://www.bourns.com/data/global/pdfs/CRE.pdf, ComponentLink1URL=http://www.bourns.com/data/global/pdfs/CRE.pdf, Composition="Metal Film", Features="Current Sense, Moisture Resistant", FUNCTION="Energy Meter", Height="0.035\" (0.90mm)", Manufacturer Part Number=CRE2512-FZ-R004E-3, Number of Terminations=2, Packaging="Cut Tape (CT)", Pricing 1="1=0.62, 10=0.52, 25=0.4456, 50=0.401, 100=0.349, 250=0.31184, 500=0.25246, 1000=0.20419 (USD)", RoHS="RoHS Compliant", Size / Dimension="0.254\" L x 0.132\" W (6.45mm x 3.35mm)", Stock 1=0, Supplier 1=Digi-Key
R19: "RES SMD 0.0OHM JUMPER 1/16W 0402", RATING=63mW, FUNCTION=Jennic, MFT="Vishay Dale", MPN=CRCW04020000Z0ED, TYPE="Surface Mount"
R26 R27: "RES SMD 820K OHM 1% 1/4W 1206", RATING=1/4W, FUNCTION="Energy Meter", MFT="Vishay Dale", MPN=CRCW1206820KFKEA, TYPE=SMD
R28: "RES SMD 330K OHM 1% 1/4W 1206", RATING=1/4W, FUNCTION="Energy Meter", MFT="Vishay Dale", MPN=CRCW1206330KFKEA, TYPE=SMD
R29 R56: "RES SMD 10K OHM 1% 1/16W 0603", MPN=ERJ-3EKF1002V, RATING=0.063W, FUNCTION="Power Supply", MFT="Panasonic Electronic Components", TYPE=SMD
R31 R32: "RES SMD 1.2K OHM 1% 1/16W 0402", RATING=1/16W, APN=RQ-0122-R7-C, FUNCTION="Energy Meter", MFT=Yageo, MPN=RC0402FR-071K2L, TYPE=SMD
R33 R36 R37 R41 R54 R55: "RES SMD 330 OHM 1% 1/16W 0402", RATING=1/16W, MFT="Vishay Dale", MPN=CRCW0402330RFKED, TYPE=SMD
  R33 R36 R37: FUNCTION="Energy Meter"
  R41 R54 R55: FUNCTION="I2C Devices"
R44 R51 R52 R53: "RES SMD 1K OHM 1% 1/10W 0402", RATING=1/10W, FUNCTION="I2C Devices", MFT="Vishay Beyschlag", MPN=MCS04020C1001FE000, TYPE=SMD
R48: "RES 24K OHM 0.1% 1/8W 0603", RATING=1/8W, FUNCTION="Analog Inputs", MFT="Vishay Dale", MPN=TNPW060324K0BEEA, TYPE=SMD
R49 R602 R606: "RES SMD 5.6K OHM 0.1% 1/10W 0603", RATING=1/10W, FUNCTION="Analog Inputs", MFT="Panasonic Electronic Components", MPN=ERA-3AEB562V, TYPE=SMD
R57: "RES 100 OHM 5% 1/4W 1206", RATING=1/4W, FUNCTION="Energy Meter", MFT="Stackpole Electronics", MPN=RMCF1206JT100R, TYPE=SMD
R108: "RES SMD 10K OHM 1% 1/10W 0402", RATING="0.1W, 1/10W", FUNCTION="analog outputs", MFT="Panasonic Electronic Components", MPN=ERJ-2RKF1002X, TYPE="Surface Mount"
R401: "RES SMD 100K OHM 1% 1/10W 0402", RATING="0.1W, 1/10W", FUNCTION="Power Supply", MFT="Panasonic Electronic Components", MPN=ERJ-2RKF1003X, TYPE="Surface Mount"
R601: "RES SMD 68K OHM 0.1% 1/10W 0603", RATING=1/10W, FUNCTION="Analog Inputs", MFT="Panasonic Electronic Components", MPN=ERA-3AEB683V, TYPE=SMD
R605: "RES SMD 24K OHM 0.1% 1/8W 0603", RATING=1/8W, FUNCTION="Analog Inputs", MFT="Vishay Dale", MPN=TNPW060324K0BEEA, TYPE=SMD
R802: "RES SMD 2.2K OHM 1% 1/10W 0603", FUNCTION="analog outputs", MFT="Vishay Dale", MPN=CRCW06032K20FKEA, TYPE=SMD
R806: "RES SMD 1 OHM 1% 1/16W 0402", RATING=1/16W, FUNCTION="analog outputs", MFT="Vishay Dale", MPN=CRCW04021R00FKED, TYPE=SMD
U1 U9 U10: "OPTOISOLATR 5KV TRANSISTOR 4-SOP", ALT MPN1=LTV1003-TP-V-G, RATING=5KV, ALT DESC1=Photocoupler, ALT MFT1=LITEON, FUNCTION="Energy Meter", MFT="Vishay Semiconductor Opto Division", MPN=TCLT1003, TYPE=SMD
U2: "IC OPAMP GP 1 CIRCUIT SOT25", FUNCTION="analog outputs", MFT="Diodes Incorporated", MPN=AS321KTR-G1, TYPE=SMD
U6: "IC ENERGY MEASURMENT 1PH 24TQFN", Current - Supply=8.1mA, Manufacturer="Maxim Integrated", Operating Temperature="-40°C ~ 85°C", Package / Case="24-WFQFN Exposed Pad", Supplier Device Package="24-TQFN (4x4)", Supplier Part Number 1=78M6610+PSU/B00-ND, Voltage - I/O High="0.6V, 2V", Voltage - I/O Low="0.5V, 0.8V", Voltage - Supply="3 V ~ 3.6 V", Category="Integrated Circuits (ICs)", ComponentLink1Description=http://datasheets.maximintegrated.com/en/ds/78M6610+PSU.pdf, ComponentLink1URL=http://datasheets.maximintegrated.com/en/ds/78M6610+PSU.pdf, FUNCTION="Energy Meter", Input Impedance="30 kOhm ~ 90 kOhm", Manufacturer Part Number=78M6610+PSU/B00, Measurement Error=-, Meter Type="Single Phase", Mounting Type="Surface Mount", Packaging=Tube, Pricing 1="1=2.56, 10=2.432, 25=2.3, 50=2.185, 100=2.15, 250=2.04248, 1000=1.93392 (USD)", RoHS="RoHS non-compliant", Stock 1=62, Supplier 1=Digi-Key
U7: "ACCELEROMETER 2-8G I2C/SPI 12LGA", FUNCTION="I2C Devices", MFT="Kionix Inc.", MPN=KX122-1037, TYPE=SMD
U12: "A-GPS receiver, with built-in Antenna", ALT_MPN1=L96, ALT DESC1="RF TXRX MOD NAV INTEG/CHIP SMD", ALT MFT1=Quectel, FUNCTION=gps, MFT=SIMCom, MPN=SIM33ELA
U13: "Isolated DC/DC Converters 1W 3.3Vin 3.3Vout 333mA SM", ALT MPN1=NXE1S0303MC-R7, ALT MPN2=F0303XT-1WR2, ALT DESC1="DC DC CONVERTER 3.3V 1W", ALT DESC2="1W isolated DC-DC converter, Fixed input voltage, unregulated single output", ALT MFT1="Murata Power Solutions Inc.", ALT MFT2=Mornsun, FUNCTION="Energy Meter", MFT="Murata Power Solutions", MPN=NXJ1S0303MC-R7, TYPE=SMD/SMT
U14: "IC AUTHENTICATION CHIP 8TSSOP", FUNCTION="I2C Devices", MFT="Microchip Technology", MPN=ATSHA204A-XHDA-T, TYPE=SMD
U15: "IC SENSOR AMBIENT LIGHT 6CHIPLED", FUNCTION="I2C Devices", MFT="Broadcom Limited", MPN=APDS-9300-020, TYPE=SMD
U16: "IC EEPROM 32KBIT 400KHZ 8TSSOP", FUNCTION="I2C Devices", MFT=STMicroelectronics, MPN=M24C32-DFDW6TP, TYPE=SMD
U201: "RF TXRX MODULE 802.15.4 U.FL ANT", FUNCTION=Jennic, MFT="NXP USA Inc.", MPN=JN5168-001-M06Z, TYPE=SMD
U402: "IC REG BUCK 3.3V 0.5A SYNC 8WSON", FUNCTION="Power Supply", MFT="TEXAS INSTRUMENTS", MPN=TPS62172DSGT, TYPE=SMD
U403: "AC/DC Power Modules 85-305Vac 12Vout 250mA 3W PCM mnt", FUNCTION="Power Supply", MFT="Mean Well", MPN=IRM-03-12
V101: "VARISTOR 470V 10KA DISC 20MM", ALT MPN1=SVR20D471KA99BH, RATING="470V 10KA", ALT DESC1="20D 470V 10KVA/5KVA 6000A(8/20us) Bulk SVR20D471KA99BH", ALT MFT1=Fenghua, FUNCTION=Top, MFT="EPCOS (TDK)", MPN=S20K300E2, TYPE=SMD
V901: "VARISTOR 470V 6KA DISC 14MM", ALT MPN1=SVR14D471KA78BH, RATING=470V, ALT DESC1="14D 470V 6KVA/3KVA 6000A(8/20us) Bulk SVR14D471KA78BH", ALT MFT1="Fenghua Hi Tech", FUNCTION=Relay, MFT="EPCOS (TDK)", MPN=S14K300E2K1, TYPE=TH
X2: "CRYSTAL 20.000 MHZ 18PF SMT", ESR (Equivalent Series Resistance)="40 Ohm", Frequency=20MHz, Frequency Stability=±50ppm, Frequency Tolerance=±20ppm, Load Capacitance=18pF, Manufacturer="Abracon LLC", Operating Mode=Fundamental, Operating Temperature="-20°C ~ 70°C", Package / Case=2-SMD, Ratings=-, Supplier Part Number 1=ABLS7M-20.000MHZ-B-2-T-ND, Category="Crystals and Oscillators", ComponentLink1Description=http://abracon.com/Resonators/ABLS7M.pdf, ComponentLink1URL=http://abracon.com/Resonators/ABLS7M.pdf, DNP=DNP, FUNCTION="Energy Meter", Height="0.165\" (4.20mm)", Manufacturer Part Number=ABLS7M-20.000MHZ-B-2-T, Mounting Type="Surface Mount", Packaging="Tape & Reel (TR)", Pricing 1="3000=0.1725 (USD)", RoHS="RoHS Compliant", Size / Dimension="0.450\" L x 0.190\" W (11.40mm x 4.70mm)", Stock 1=0, Supplier 1=Digi-Key, TYPE="MHz Crystal"
3V3_AC GND_AC: FUNCTION="Energy Meter"
J4: FUNCTION=Jennic
P100: FUNCTION=Top, MFT="TE Connectivity", MPN=2213730-1, TYPE=TH

## Free pads (board coordinates)
  round 0 hole 125.98 unplated: ""(-985,-243) ""(-17,1081) ""(626,-814)

## Via types
v1: diameter 20/20/20/20 (per signal layer), hole 10, Top Layer to Bottom Layer, tented both sides, 235 vias
v2: diameter 20/20/20/20 (per signal layer), hole 10, Top Layer to Bottom Layer, 93 vias
v3: diameter 32/32/32/32 (per signal layer), hole 19, Top Layer to Bottom Layer, tented both sides, 9 vias
v4: diameter 20/20/20/30 (per signal layer), hole 10, Top Layer to Bottom Layer, tented top, 2 vias

## Nets (pads, with @x,y where several pads share a name; then routed paths per layer and width w, separated by ;. In a path a pad name is that pad's centre, name@x,y a point inside that pad or via, vN(x,y) a via of type N, cw(c..) or ccw(c..) an arc to the next point about the centre after c; other vN are vias at no path point)
0_10V_CH1_OUT: D801.1 P100.2 R605.1 R806.2 | length 4206.3
  Top Layer w12: R605.1@-1322.76,-1273.76 -1355,-1241.52 -1355,-1222 -1186,-1053 -1186,-830.2 -1012,-656.2 -1012,-441 v1(-864,-293) ; P100.2@958,-188.57 1019.13,-213.15 ; P100.2@967.32,-149.61 1022.64,-204.92 ; P100.2@983.67,-185 1022.28,-207 ; P100.2@1002.21,-163 1028.23,-203.44 ; P100.2@1011.46,-148 1031.7,-202.14
  Top Layer w15: R806.2@1098.69,-417.85 1147.15,-417.85 1176,-389 D801.1@1176,-298.05
  Top Layer w30: 1024.47,-208.47 1114.05,-298.05 D801.1@1176,-298.05
  Bottom Layer w12: v1(-864,-293) -315,-842 274.93,-842 P100.2@967.32,-149.61
ACC_CS_L: R44.1 U7.10 | length 55
  Top Layer w6: U7.10@-37.98,-1113.39 -21.61,-1113.39 -8.69,-1126.31 R44.1@11.69,-1126.31
ACC_INT1_L: R54.1 U7.5 | length 56.9
  Top Layer w6: R54.1@-87.5,-1225.31 -87.5,-1202.5 -77.84,-1192.84 U7.5@-77.84,-1172.45
ACC_INT2_L: R41.1 U7.6 | length 61
  Top Layer w6: U7.6@-58.16,-1172.45 -58.16,-1188.34 -38.5,-1208 R41.1@-38.5,-1225.31
ADC0_IN: D13.1 P100.4 R601.1 | length 1008.8
  Top Layer w8: R601.1@-902.97,-408.12 -774.8,-279.96 -774.8,-212.46 P100.4@-774.8,-111.42
  Top Layer w11.81: D13.1@-1047.88,-58.84 -921.7,-58.84 -894.36,-31.5 -793.5,-31.5 -774.8,-50.2 P100.4@-774.8,-111.42
  Top Layer w12: P100.4@-808.95,-132.38 -774.8,-212.46 -766.43,-194.09 P100.4@-742.45,-141.49 ; P100.4@-788.27,-148 -776.52,-190.86 ; -776.87,-188.49 P100.4@-766.67,-141.49 ; -769.8,-192.55 P100.4@-759.6,-145.56
AIN: C17.2 C18.2 R18.2 U6.23 | length 1978.4
  Top Layer w8: v4(-458,175) R18.2@-422,211 ; v1(36,1255) C17.2@71,1290 107.55,1326.55 C18.2@107.55,1327 107.55,1348.17 125.39,1366.01 125.39,1393.9 81,1438.28 81,1452.24 U6.23@109.9,1481.14
  GND w8: v4(-458,175) -458,236.36 -382.32,312.04 -382.32,415.61 -655.47,688.76 -655.47,773.53 -364,1065 -175.36,1065 14.64,1255 v1(36,1255)
AIP: C15.2 C16.2 R16.2 U6.22 | length 1980.7
  Top Layer w8: v4(-533,251) R16.2@-497,287 ; v1(0,1290) C16.2@36,1326 ; C16.2@35.92,1325.08 72.16,1361.32 C15.2@72.16,1362.23 93.33,1362.23 105.39,1374.29 105.39,1385.61 61,1430 61,1460.53 U6.22@95.76,1495.28
  GND w8: v4(-533,251) -471.64,251 -402.32,320.32 -402.32,407.32 -675.47,680.47 -675.47,785.53 -373.18,1087.82 -180.82,1087.82 0,1268.64 v1(0,1290)
AVP: C4.2 C5.2 R12.2 R28.2 U6.19 | length 646.9
  Top Layer w8: R12.2@-337.88,1208.12 R28.2@-289.15,1159.39 ; R28.2@-289.15,1144.54 R28.2@-289.15,1159.39 ; U6.19@54.22,1536.82 30,1512.6 30,1495.39 5.61,1471 0.16,1471 C4.2@-18.92,1451.92 -54.84,1416 C5.2@-54.84,1414.6 -73.6,1395.84 -73.6,1316.4 -136,1254 -180,1254 -281.88,1152.12 R28.2@-289.15,1159.39
DLDR_INT_L: R55.1 U15.6 | length 81.1
  Top Layer w7: U15.6@-69,-982.63 11.69,-982.63 R55.1@12,-982.31
eMETER_LINE_OUT: K901.1 R13.2 R16.1 U403.1 | length 777.1
  Top Layer w15: R16.1@-538.76,328.76 -520,347.52 -520,358.6 R13.2@-470.3,408.3
  Top Layer w100: -570.89,355.11 -494,432
  Bottom Layer w20: K901.1@-181.51,798.05 -75.95,798.05 205.78,1079.78 U403.1@262.25,1079.78